# Altium PCB NucleoBoard.PcbDoc
Units mil, origin at the board's own origin, x right, y up, seen from the top; angles counter-clockwise.
Board outline 3950 x 2950 mil, 2 copper layers (Top Layer, Bottom Layer); 7 components, 13 nets, 105 pads, 4 vias.
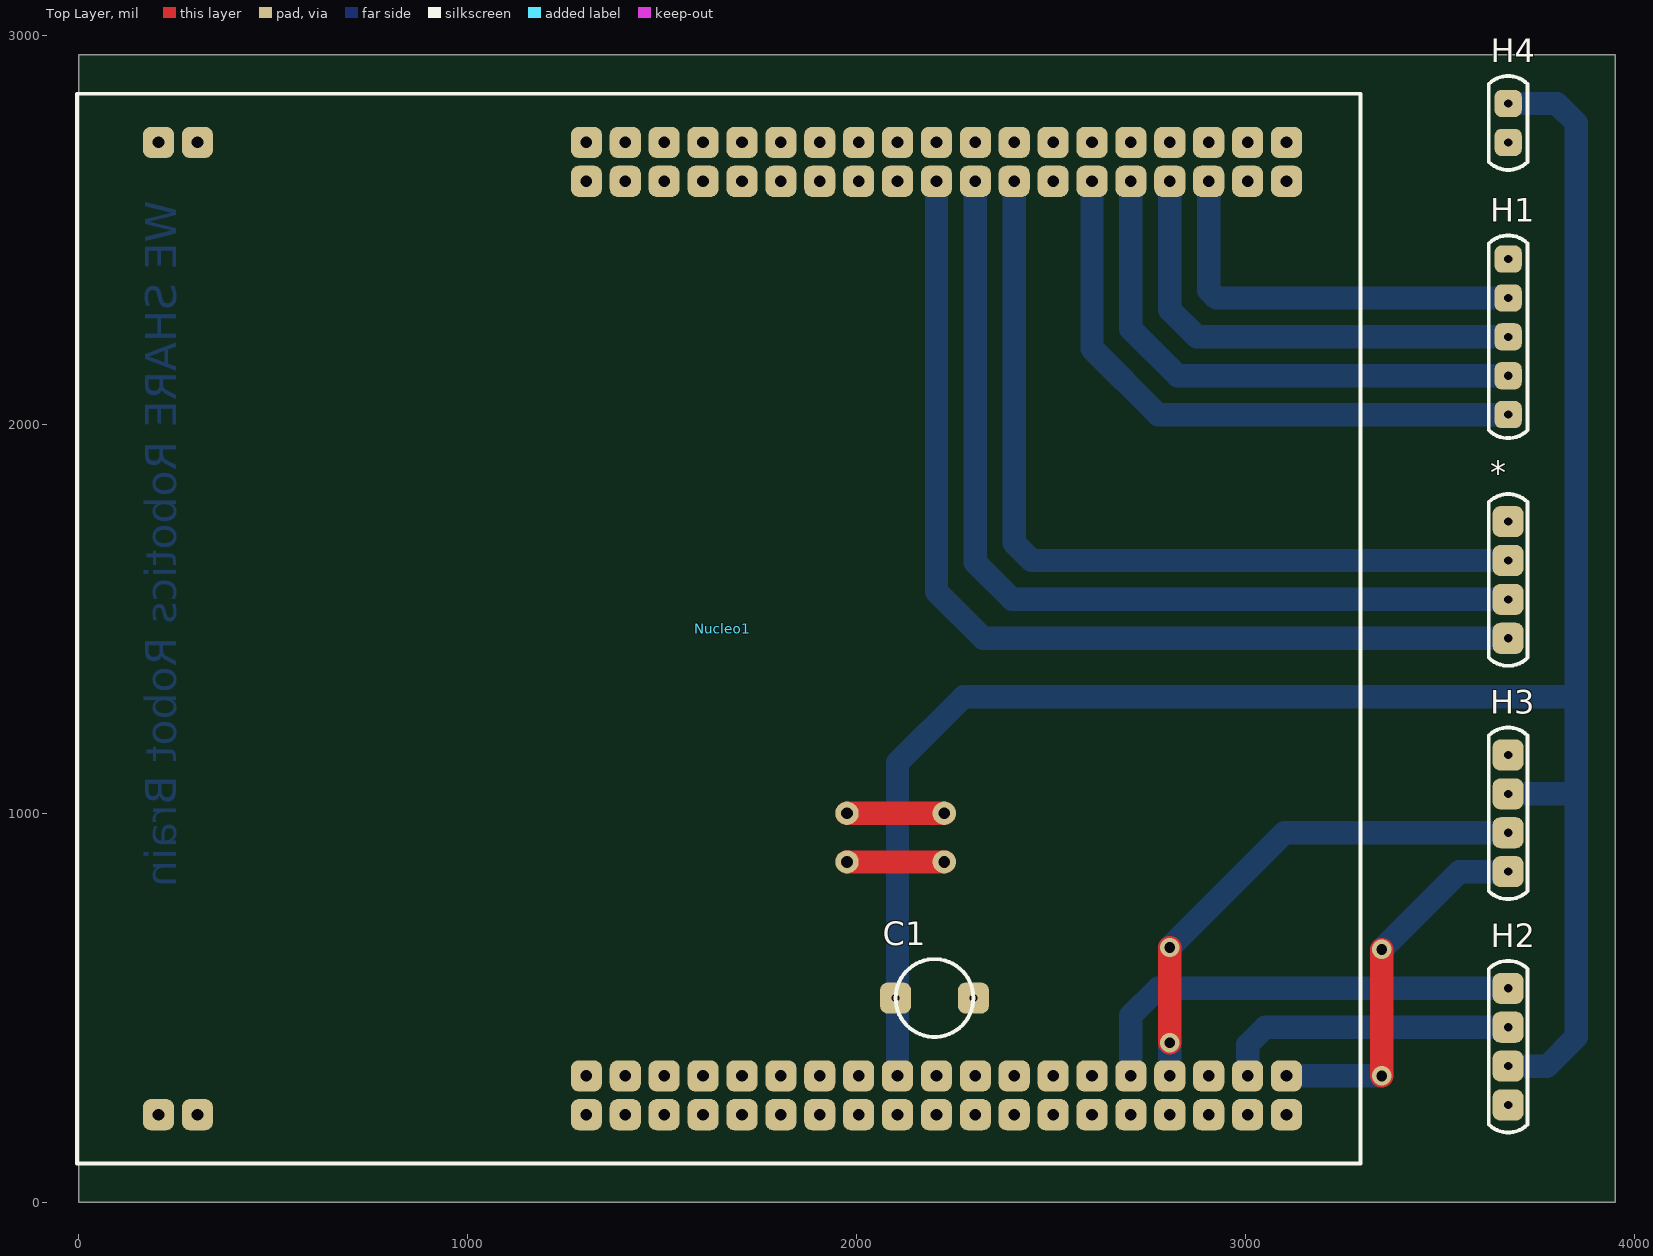
[diagram p0: Top Layer view]
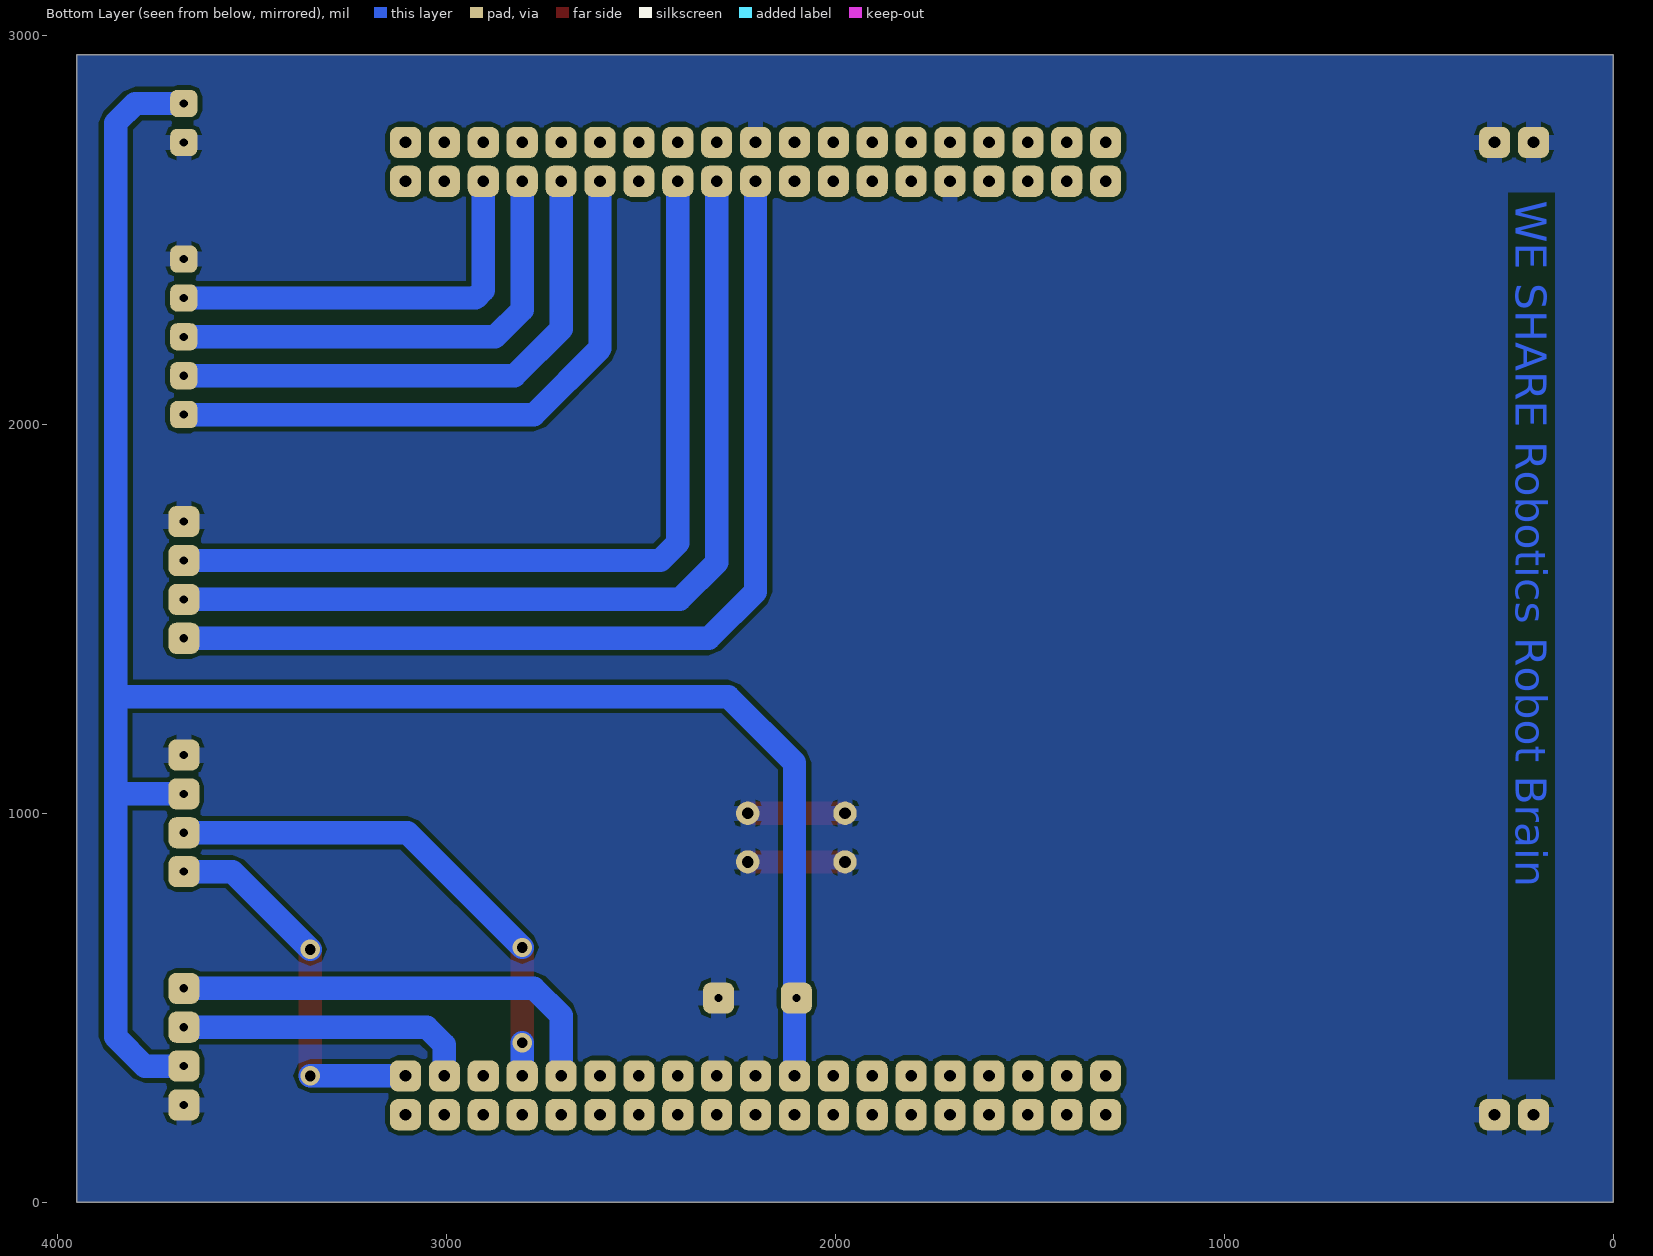
[diagram p1: Bottom Layer view, seen from below]

## Layer stack, top to bottom
Top Solder: solder mask 0.4, Solder Resist, Dk 3.5
Top Layer: signal copper 1.4
Dielectric 1: dielectric 12.6, FR-4, Dk 4.8
Bottom Layer: signal copper 1.4
Bottom Solder: solder mask 0.4, Solder Resist, Dk 3.5

## Board outline
0,0 0,2950 3950,2950 3950,0

## Design rules (kind name [scope] priority, off if disabled: settings)
Clearance [All] p1: gap=10
PlaneClearance [All] p1: clearance=30
PlaneConnect [All] p1: planeconnectstyle=Relief reliefexpansion=20 reliefentries=4 reliefconductorwidth=40 reliefairgap=10
PolygonConnect [All] p1: connectstyle=Relief reliefconductorwidth=40 reliefentries=4 polygonreliefangle="90 Angle" airgapwidth=10
RoutingVias [All] p1: holewidth=28 width=50 viastyle="Through Hole" minholewidth=28 minwidth=50 maxholewidth=28 maxwidth=50
SolderMaskExpansion [All] p1: expansion=4
UnpouredPolygon [All] p1: allowunpoured=FALSE
Width [All] p1: maxlimit=60 minlimit=30 preferedwidth=40 minimp=50.000000 maximp=50.000000 favimp=50.000000
27 further rules are at their usual default settings.

## Components (designator, comment, footprint, x,y, rotation, side; value= is the part's Value field where it differs from the comment)
* "Header1x4" Header1x4 3675,1450 r90 top
C1 "100n" C1(ceramic) 2100,525 r0 top
H1 "HBridge" Header1x5 3675,2025 r90 top
H2 "Encoder1" Header1x4 3675,550 r270 top
H3 "Encoder2" Header1x4 3675,850 r90 top
H4 "Header1x2" Header1x2 3675,2825 r270 top
Nucleo1 "Nucleo_STM32F411RE" Nucleo411 1305,225 r90 top

## Footprints (in the part's own frame and the unit in brackets; to place one, negate y for a bottom-side part, rotate by r counter-clockwise, add the part's x,y. Pads: shape width x height; smd on the part's side, far side on the other; paste and mask are expansions set on the pad)
C1(ceramic) [mil]
  rrect50% 80x80 hole 21: 1(0,0) 2(200,0)
  silkscreen extent 0,-100 200,100, body extent -37,-33 238,33, height 258
Header1x2 [mil]
  rrect50% 70x70 hole 21: 1(0,0) 2(100,0)
  silkscreen extent -71,-50 171,50
Header1x4 [mil]
  rrect50% 80x80 hole 21: 1(0,0) 2(100,0) 3(200,0) 4(300,0)
  silkscreen extent -71,-50 371,50
Header1x5 [mil]
  rrect50% 70x70 hole 21: 1(0,0) 2(100,0) 3(200,0) 4(300,0) 5(400,0)
  silkscreen extent -61,-50 461,50
Nucleo411 [mil]
  rrect50% 80x80 hole 30: 1(0,0) 2(100,0) 3(0,-100) 4(100,-100) 5(0,-200) 6(100,-200) 7(0,-300) 8(100,-300) 9(0,-400) 10(100,-400) 11(0,-500) 12(100,-500) 13(0,-600) 14(100,-600) 15(0,-700) 16(100,-700) 17(0,-800) 18(100,-800) 19(0,-900) 20(100,-900) 21(0,-1000) 22(100,-1000) 23(0,-1100) 24(100,-1100) 25(0,-1200) 26(100,-1200) 27(0,-1300) 28(100,-1300) 29(0,-1400) 30(100,-1400) 31(0,-1500) 32(100,-1500) 33(0,-1600) 34(100,-1600) 35(0,-1700) 36(100,-1700) 37(0,-1800) 38(100,-1800) 39(2400,0) 40(2500,0) 41(2400,-100) 42(2500,-100) 43(2400,-200) 44(2500,-200) 45(2400,-300) 46(2500,-300) 47(2400,-400) 48(2500,-400) 49(2400,-500) 50(2500,-500) 51(2400,-600) 52(2500,-600) 53(2400,-700) 54(2500,-700) 55(2400,-800) 56(2500,-800) 57(2400,-900) 58(2500,-900) 59(2400,-1000) 60(2500,-1000) 61(2400,-1100) 62(2500,-1100) 63(2400,-1200) 64(2500,-1200) 65(2400,-1300) 66(2500,-1300) 67(2400,-1400) 68(2500,-1400) 69(2400,-1500) 70(2500,-1500) 71(2400,-1600) 72(2500,-1600) 73(2400,-1700) 74(2500,-1700) 75(2400,-1800) 76(2500,-1800) 77(0,1100) 78(0,1000) 79(2500,1100) 80(2500,1000)
  silkscreen extent -125,-1990 2625,1310, body extent -394,-1991 2623,3127, height 416

## Part data
C1: library part C1
H1: library part Header1x5
H2 H3: library part Header1x4

## Free pads (board coordinates)
  round 60 hole 30: 0(2225,875) 1(2225,1000) 2(1975,1000) 3(1975,875)

## Via types
v1: diameter 50, hole 28, Top Layer to Bottom Layer, 4 vias

## Nets (pads, with @x,y where several pads share a name; then routed paths per layer and width w, separated by ;. In a path a pad name is that pad's centre, name@x,y a point inside that pad or via, vN(x,y) a via of type N, cw(c..) or ccw(c..) an arc to the next point about the centre after c; other vN are vias at no path point)
5V: C1.1 H2.3 H3.3 H4.1 Nucleo1.18 | length 5547.2
  Bottom Layer w60: Nucleo1.18 2105,1130 2275,1300 3850,1300 ; H2.3 3775,350 3850,425 3850,1050 ; H3.3 3850,1050 ; H4.1 3800,2825 3850,2775 3850,1300 ; 3850,1050 3850,1300
DIR1: H1.1 Nucleo1.65 | length 1570.4
  Bottom Layer w60: Nucleo1.65 2605,2195 2775,2025 H1.1
DIR2: H1.4 Nucleo1.71 | length 1058.3
  Bottom Layer w60: Nucleo1.71 2905,2345 2925,2325 H1.4
GND: *.4 C1.2 H1.5 H2.4 H3.4 H4.2 Nucleo1.20 Nucleo1.22 Nucleo1.47 Nucleo1.58 Nucleo1.77 Nucleo1.78 Nucleo1.79 Nucleo1.80 pad.0 pad.1 pad.2 pad.3 | length 500
  Top Layer w60: pad.3 pad.0 ; pad.2 pad.1
HELP1: H2.2 Nucleo1.36 | length 768.6
  Bottom Layer w60: Nucleo1.36 3005,405 3050,450 H2.2
HELP2: H3.2 Nucleo1.32 | length 1322.2
  Top Layer w60: v1(2805,410) v1(2805,655)
  Bottom Layer w60: Nucleo1.32 v1(2805,410) ; v1(2805,655) 3100,950 H3.2
INT1: H2.1 Nucleo1.30 | length 1154
  Bottom Layer w60: Nucleo1.30 2705,480 2775,550 H2.1
INT2: H3.1 Nucleo1.38 | length 977.8
  Top Layer w60: v1(3350,325) v1(3350,650)
  Bottom Layer w60: Nucleo1.38 v1(3350,325) ; v1(3350,650) 3550,850 H3.1
PIN1: *.1 Nucleo1.57 | length 2574.7
  Bottom Layer w60: Nucleo1.57 2205,1570 2325,1450 *.1
PIN2: *.2 Nucleo1.59 | length 2389.4
  Bottom Layer w60: Nucleo1.59 2305,1645 2400,1550 *.2
PIN3: *.3 Nucleo1.61 | length 2218.6
  Bottom Layer w60: Nucleo1.61 2405,1695 2450,1650 *.3
PWM1: H1.2 Nucleo1.67 | length 1399.7
  Bottom Layer w60: Nucleo1.67 2705,2245 2825,2125 H1.2
PWM2: H1.3 Nucleo1.69 | length 1229
  Bottom Layer w60: Nucleo1.69 2805,2295 2875,2225 H1.3
pads on no net: Nucleo1.1 Nucleo1.2 Nucleo1.3 Nucleo1.4 Nucleo1.5 Nucleo1.6 Nucleo1.7 Nucleo1.8 Nucleo1.9 Nucleo1.10 Nucleo1.11 Nucleo1.12 Nucleo1.13 Nucleo1.14 Nucleo1.15 Nucleo1.16 Nucleo1.17 Nucleo1.19 Nucleo1.21 Nucleo1.23 Nucleo1.24 Nucleo1.25 Nucleo1.26 Nucleo1.27 Nucleo1.28 Nucleo1.29 Nucleo1.31 Nucleo1.33 Nucleo1.34 Nucleo1.35 Nucleo1.37 Nucleo1.39 Nucleo1.40 Nucleo1.41 Nucleo1.42 Nucleo1.43 Nucleo1.44 Nucleo1.45 Nucleo1.46 Nucleo1.48 Nucleo1.49 Nucleo1.50 Nucleo1.51 Nucleo1.52 Nucleo1.53 Nucleo1.54 Nucleo1.55 Nucleo1.56 Nucleo1.60 Nucleo1.62 Nucleo1.63 Nucleo1.64 Nucleo1.66 Nucleo1.68 Nucleo1.70 Nucleo1.72 Nucleo1.73 Nucleo1.74 Nucleo1.75 Nucleo1.76

## Polygon pours and split planes (outlines as drawn)
GND on Bottom Layer "Bottom Layer-gnd" (solid, remove dead copper, pour order 4): 3950,0 3950,2950 0,2950 0,0

## Other copper
Bottom Layer:
  text "WE SHARE Robotics Robot Brain" at 250,2575 h80 r90

## Silkscreen, mask and mechanical layers (free items; w line width, h text height)
Mechanical 1:
  the board outline again, w10